# Altium PCB SupBigBrrg_0.PcbDoc (part 22 of 29)
Units mm, origin at the board's own origin, x right, y up, seen from the top; angles counter-clockwise.
Board outline 400 x 344 mm, 6 copper layers (TopLayer, PlaneGnd, PlanePwr, MidLayer3, MidLayer4, BottomLayer); 1288 components, 1323 nets, 5024 pads, 1078 vias.
Unrouted connection lines stored in the file: 1824.
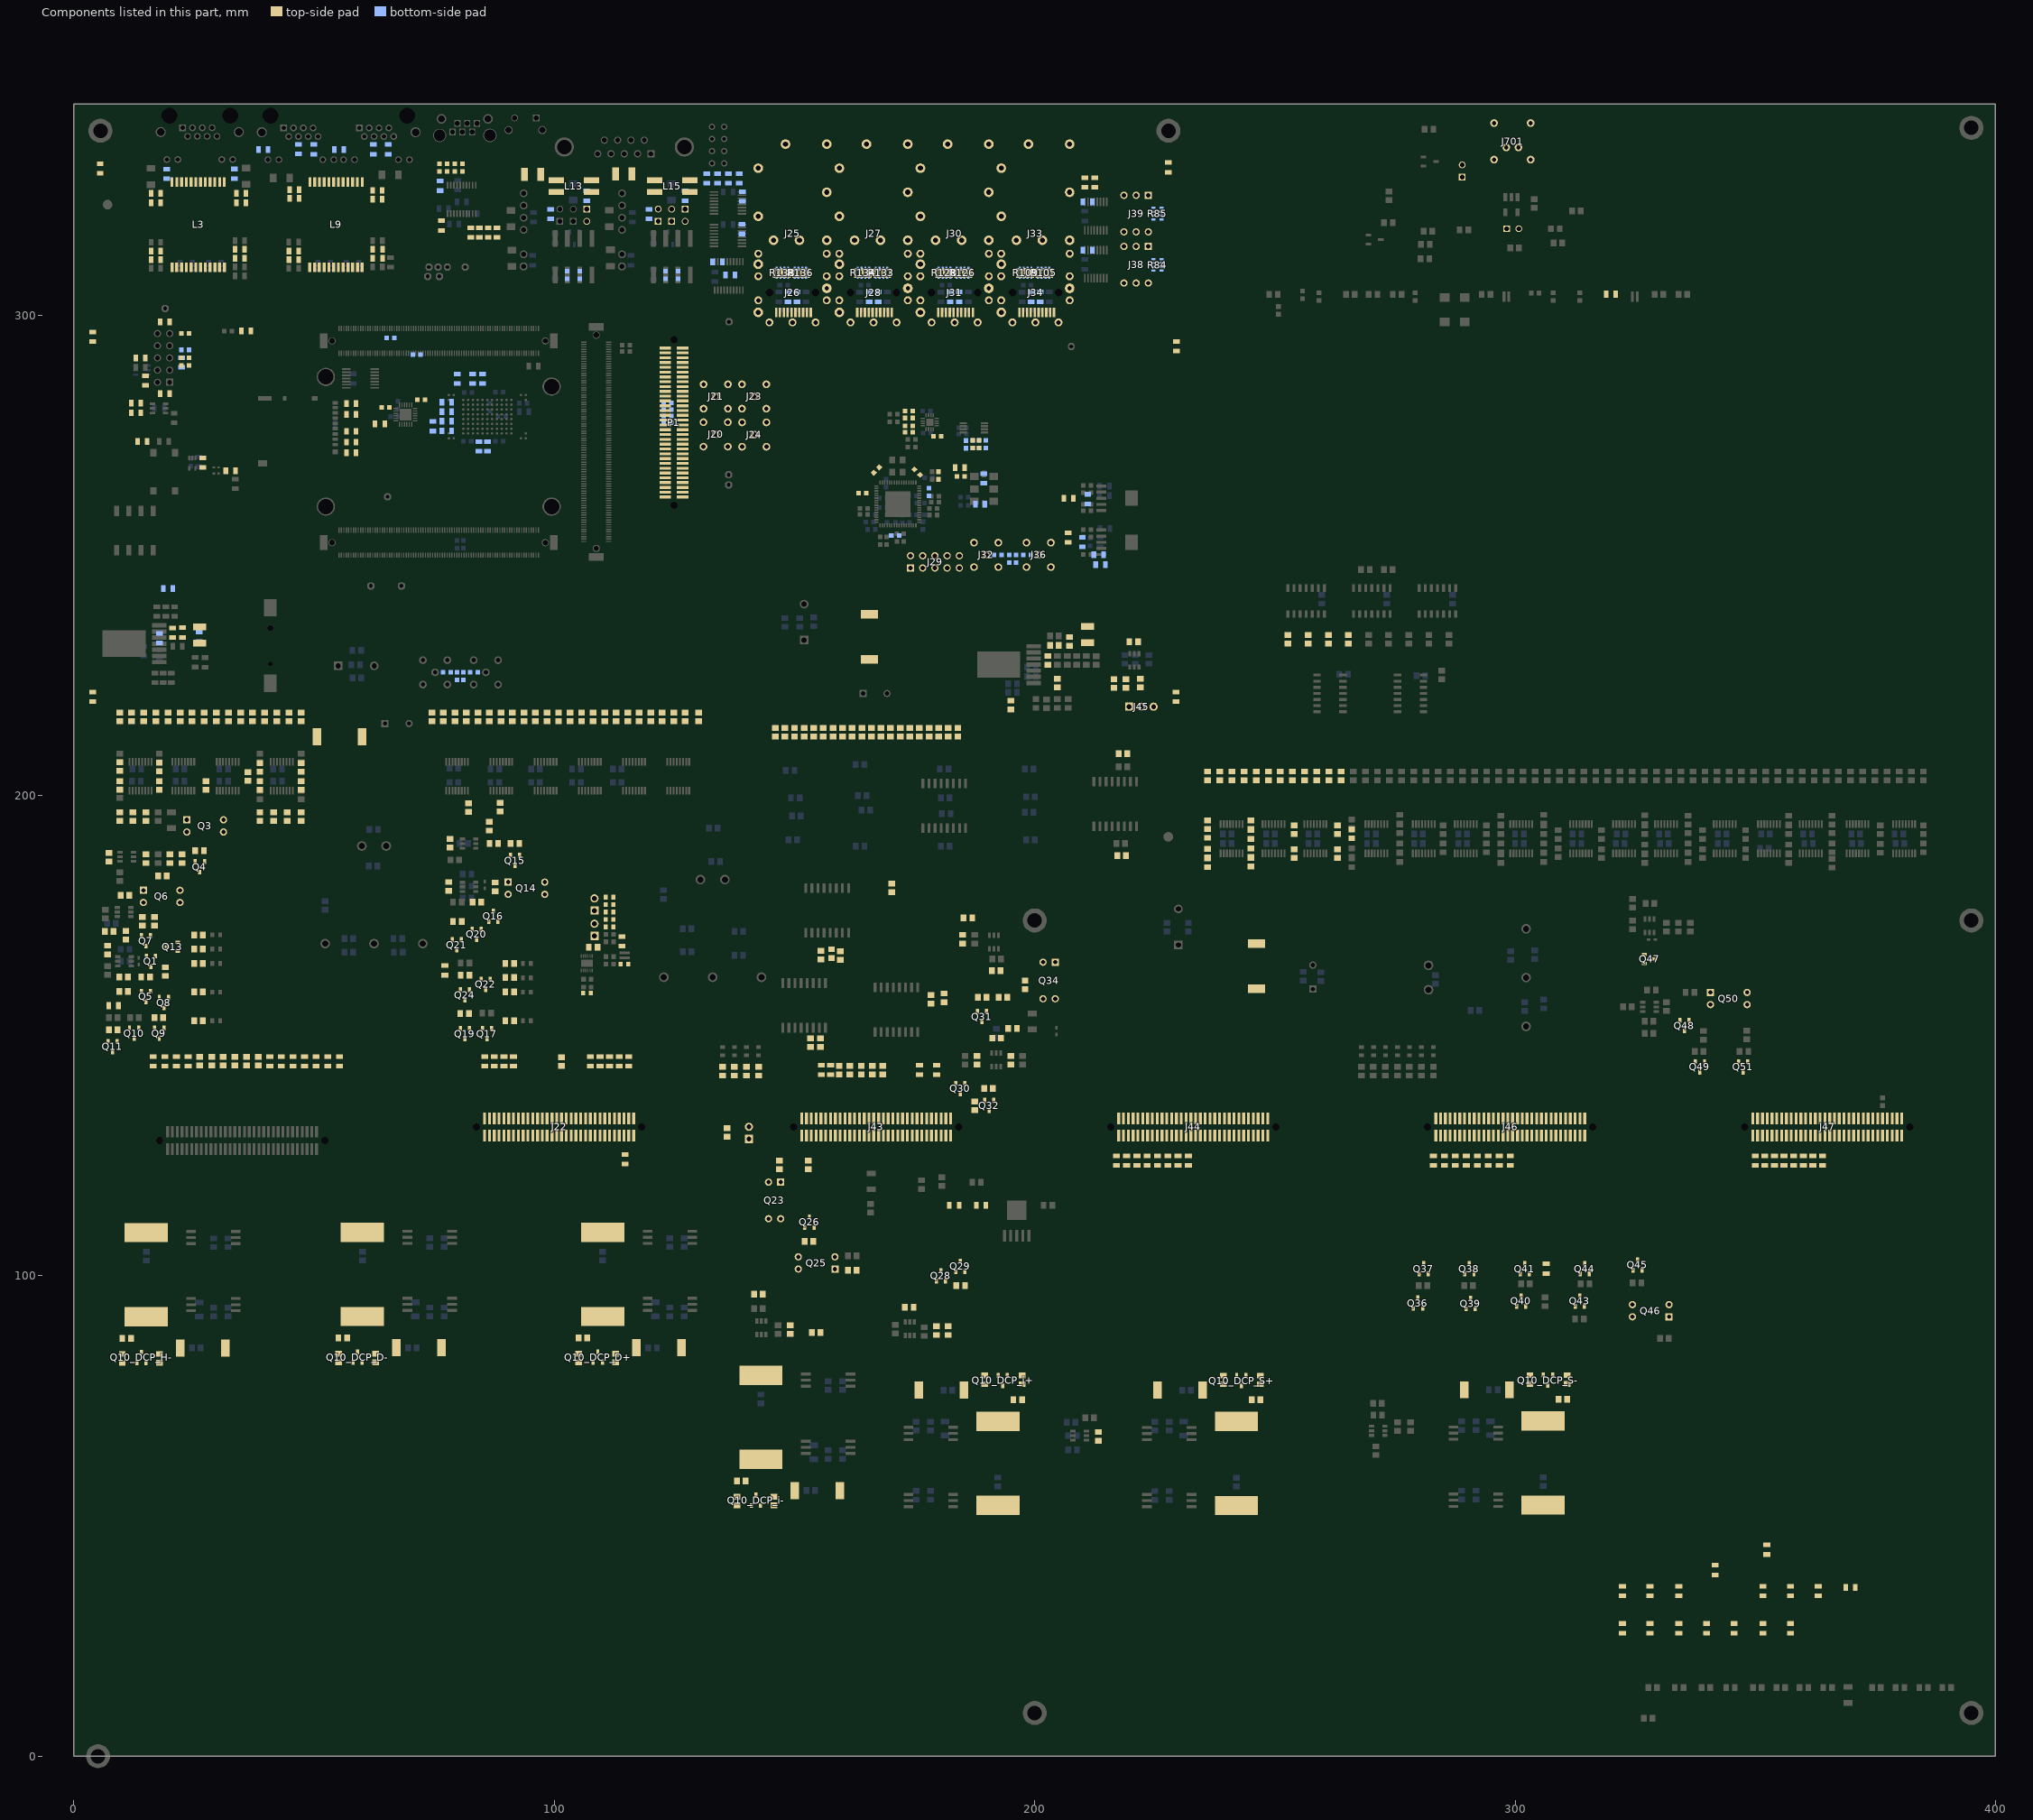
[diagram p26: the components of this part, seen from the top]

## Components (designator, comment, footprint, x,y, rotation, side; value= is the part's Value field where it differs from the comment) (continued)
J16 "PLS-2" PLS-2#1 106.75,320.8 r270 top locked (schematic designator J8)
J17 "PLS-2" PLS-2#1 121.625,320.825 r90 top locked (schematic designator J6)
J18 "PLS-2" PLS-2#1 124.425,320.8 r90 top locked (schematic designator J7)
J19 "PLS-2" PLS-2#1 127.225,320.8 r270 top locked (schematic designator J8)
J20 "DNP" LEMO_EPA.00.250.NTN 133.575,275.175 r180 top locked (schematic designator J27)
J21 "DNP" LEMO_EPA.00.250.NTN 133.6,283.075 r0 top locked (schematic designator J31)
J22 "PCI_PMC" TYCO_120521-1 118.2,131 r180 top locked (schematic designator J29)
J23 "DNP" LEMO_EPA.00.250.NTN 141.6,283.075 r0 top locked (schematic designator J30)
J24 "DNP" LEMO_EPA.00.250.NTN 141.625,275.15 r180 top locked (schematic designator J28)
J25 "74754-0101" MOLEX_74737-0111 149.58,304.7 r270 top locked (schematic designator J18)
J26 "74441-0001" MOLEX_74441-0001 149.58,304.7 r270 top locked (schematic designator J17)
J27 "74754-0101" MOLEX_74737-0111 166.455,304.7 r270 top locked (schematic designator J18)
J28 "74441-0001" MOLEX_74441-0001 166.455,304.7 r270 top locked (schematic designator J17)
J29 "DNP" PLD-10 179.225,248.65 r0 top locked (schematic designator J26)
J30 "74754-0101" MOLEX_74737-0111 183.33,304.7 r270 top locked (schematic designator J18)
J31 "74441-0001" MOLEX_74441-0001 183.33,304.7 r270 top locked (schematic designator J17)
J32 "DNP" LEMO_EPA.00.250.NTN 189.9,250.1 r0 top locked (schematic designator J24)
J33 "74754-0101" MOLEX_74737-0111 200.155,304.7 r270 top locked (schematic designator J18)
J34 "74441-0001" MOLEX_74441-0001 200.205,304.7 r270 top locked (schematic designator J17)
J36 "DNP" LEMO_EPA.00.250.NTN 200.825,250.1 r0 top locked (schematic designator J25)
J38 "ERD116XSZ" SW_ECE_ERD116XSZ 223.665,314.32 r270 top locked (schematic designator J12)
J39 "ERD116XSZ" SW_ECE_ERD116XSZ 223.665,324.97 r270 top locked (schematic designator J19)
J40 "PLS2" PLS2 140.5,128.5 r90 top locked (schematic designator J33)
J41 "PLS2" PLS2 108.353,170.77 r90 top locked (schematic designator J4)
J42 "PLS2" PLS2 108.353,176.05 r90 top locked (schematic designator J5)
J43 "PCI_PMC" TYCO_120521-1 184.2,131 r180 top locked (schematic designator J34)
J44 "PCI_PMC" TYCO_120521-1 250.2,131 r180 top locked (schematic designator J36)
J45 "PLS3TestPwr" PLS3 219.67,218.5 r0 top locked value=TestPwr (schematic designator J35)
J46 "PCI_PMC" TYCO_120521-1 316.2,131 r180 top locked (schematic designator J37)
J47 "PCI_PMC" TYCO_120521-1 382.2,131 r180 top locked (schematic designator J38)
J700 "PLS-2" PLS-2#2 289,328.75 r90 top locked (schematic designator J21)
J701 "LEMO_EPG.0B.302.HLN" LEMO_EPG.0B.302.HLN 299.44,334.92 r90 top locked (schematic designator J4)
J702 "PLS-2" PLS-2#2 298.25,318 r0 top locked (schematic designator J5)
L2 "DNP" INDC2012N 17.06,313.385 r180 top locked (schematic designator L11)
L3 "H5008NL" SMD_HX508 20.41,310 r90 top locked (schematic designator L13)
L4 "LQH32PN4R7NN0L" IND_3225_MURATA_LQH_N 26.15,233.4 r270 top locked value=4.7uH (schematic designator L1)
L5 "DNP" INDC2012N 34.51,311.885 r0 top locked (schematic designator L9)
L6 "DNP" INDC2012N 34.51,313.685 r0 top locked (schematic designator L10)
L7 "DNP" INDC2012N 17.06,311.585 r180 top locked (schematic designator L12)
L7 "BLM21RK102SN1D" INDC2012N 45.755,311.585 r180 top locked value=BLM21SN102
L8 "BLM21RK102SN1D" INDC2012N 45.755,313.385 r180 top locked value=BLM21SN102 (schematic designator L6)
L9 "H5008NL" SMD_HX508 49.105,310 r90 top locked (schematic designator L8)
L10 "BLM21RK102SN1D" INDC2012N 63.205,311.885 r0 top locked value=BLM21SN102 (schematic designator L4)
L11 "BLM21RK102SN1D" INDC2012N 63.205,313.685 r0 top locked value=BLM21SN102 (schematic designator L5)
L12 "LQH32PN4R7NN0L" IND_3225_MURATA_LQH_N 95.475,329.35 r180 top locked value=4.7uH (schematic designator L15)
L13 "B82790C0513" SMD_B82790 107.725,328.125 r180 top locked (schematic designator L14)
L14 "LQH32PN4R7NN0L" IND_3225_MURATA_LQH_N 114.425,329.4 r180 top locked value=4.7uH (schematic designator L15)
L15 "B82790C0513" SMD_B82790 128.2,328.125 r180 top locked (schematic designator L14)
L16 "BLM21PG221SN1" INDC2012N 201.155,303.825 r270 bottom locked (schematic designator L3)
L17 "BLM21PG221SN1" INDC2012N 199.28,303.825 r270 bottom locked (schematic designator L2)
L17_DCP_D+ "PM5022S68uH" IND_Bourns_PM5022S 110.05,100.3 r270 top locked value=68uH (schematic designator L17)
L17_DCP_D- "PM5022S68uH" IND_Bourns_PM5022S 60.05,100.3 r270 top locked value=68uH (schematic designator L17)
L17_DCP_H- "PM5022S68uH" IND_Bourns_PM5022S 15.05,100.25 r270 top locked value=68uH (schematic designator L17)
L17_DCP_i+ "PM5022S68uH" IND_Bourns_PM5022S 192.35,60.965 r90 top locked value=68uH (schematic designator L17)
L17_DCP_i- "PM5022S68uH" IND_Bourns_PM5022S 143,70.55 r270 top locked value=68uH (schematic designator L17)
L17_DCP_S+ "PM5022S68uH" IND_Bourns_PM5022S 242,60.95 r90 top locked value=68uH (schematic designator L17)
L17_DCP_S- "PM5022S68uH" IND_Bourns_PM5022S 305.85,61.035 r90 top locked value=68uH (schematic designator L17)
L18 "BLM21PG221SN1" INDC2012N 184.28,303.825 r270 bottom locked (schematic designator L3)
L18_DCP_D+ "B82464G410uH" IND_COILCRAFT_MSS1038 121.8,85.05 r0 top locked value=10uH (schematic designator L18)
L18_DCP_D- "B82464G410uH" IND_COILCRAFT_MSS1038 71.8,85.05 r0 top locked value=10uH (schematic designator L18)
L18_DCP_H- "B82464G410uH" IND_COILCRAFT_MSS1038 26.8,85 r0 top locked value=10uH (schematic designator L18)
L18_DCP_i+ "B82464G410uH" IND_COILCRAFT_MSS1038 180.6,76.215 r180 top locked value=10uH (schematic designator L18)
L18_DCP_i- "B82464G410uH" IND_COILCRAFT_MSS1038 154.75,55.3 r0 top locked value=10uH (schematic designator L18)
L18_DCP_S+ "B82464G410uH" IND_COILCRAFT_MSS1038 230.25,76.2 r180 top locked value=10uH (schematic designator L18)
L18_DCP_S- "B82464G410uH" IND_COILCRAFT_MSS1038 294.1,76.285 r180 top locked value=10uH (schematic designator L18)
L19 "BLM21PG221SN1" INDC2012N 182.405,303.825 r270 bottom locked (schematic designator L2)
L20 "BLM21PG221SN1" INDC2012N 167.405,303.825 r270 bottom locked (schematic designator L3)
L21 "BLM21PG221SN1" INDC2012N 165.53,303.825 r270 bottom locked (schematic designator L2)
L22 "BLM21PG221SN1" INDC2012N 150.53,303.825 r270 bottom locked (schematic designator L3)
L23 "BLM21PG221SN1" INDC2012N 148.655,303.825 r270 bottom locked (schematic designator L2)
L25 "BLM211k" RESC2012X50N 21.333,144.65 r90 top locked value=1k (schematic designator L38)
L26 "BLM211k" RESC2012X50N 23.75,144.65 r90 top locked value=1k (schematic designator L37)
L27 "BLM211k" RESC2012X50N 43.167,144.65 r90 top locked value=1k (schematic designator L35)
L28 "BLM211k" RESC2012X50N 52.833,144.65 r90 top locked value=1k (schematic designator L31)
L29 "BLM211k" RESC2012X50N 16.5,144.65 r90 top locked value=1k (schematic designator L40)
L30 "BLM211k" RESC2012X50N 18.917,144.65 r90 top locked value=1k (schematic designator L39)
L32 "BLM211k" RESC2012X50N 8.25,156.25 r0 top locked value=1k (schematic designator L86)
L34 "B82464G410uH" IND_COILCRAFT_MSS1038 55.25,212.25 r0 top locked value=10uH (schematic designator L87)
L35 "BLM211k" RESC2012X50N 113.5,144.65 r90 top locked value=1k (schematic designator L22)
L37 "BLM211k" RESC2012X50N 107.5,144.65 r90 top locked value=1k (schematic designator L25)
L38 "BLM211k" RESC2012X50N 115.5,144.65 r90 top locked value=1k (schematic designator L20)
L39 "BLM211k" RESC2012X50N 85.5,144.65 r90 top locked value=1k (schematic designator L29)
L40 "BLM211k" RESC2012X50N 87.5,144.65 r90 top locked value=1k (schematic designator L28)
L42 "BLM211k" RESC2012X50N 77.2,163.6 r90 top locked value=1k (schematic designator L16)
L43 "BLM211k" RESC2012X50N 114.075,169.625 r90 top locked value=1k (schematic designator L19)
L44 "B82464G410uH" IND_COILCRAFT_MSS1038 165.55,233.05 r270 top value=10uH (schematic designator L88)
L46 "BLM211k" RESC2012X50N 155.6,142.9 r90 top value=1k (schematic designator L49)
L47 "BLM211k" RESC2012X50N 157.5,142.85 r90 top value=1k (schematic designator L48)
L48 "BLM211k" RESC2012X50N 179.6,142.9 r90 top value=1k (schematic designator L44)
L50 "BLM211k" RESC2012X50N 176,142.85 r90 top value=1k (schematic designator L46)
L53 "LQH32PN4R7NN0L" IND_3225_MURATA_LQH_N 211,233.5 r90 top locked value=4.7uH (schematic designator L52)
L54 "BLM211k" RESC2012X50N 217,124 r270 top locked value=1k (schematic designator L61)
L55 "BLM211k" RESC2012X50N 219.143,124 r270 top locked value=1k (schematic designator L60)
L56 "BLM211k" RESC2012X50N 221.286,124 r270 top locked value=1k
L57 "BLM211k" RESC2012X50N 223.429,124 r270 top locked value=1k (schematic designator L58)
L59 "BLM211k" RESC2012X50N 225.571,124 r270 top locked value=1k (schematic designator L54)
L60 "BLM211k" RESC2012X50N 227.714,124 r270 top locked value=1k (schematic designator L53)
L61 "BLM211k" RESC2012X50N 229.857,124 r90 top locked value=1k (schematic designator L62)
L62 "BLM211k" RESC2012X50N 232,124 r270 top locked value=1k (schematic designator L63)
L64 "B82464G410uH" IND_COILCRAFT_MSS1038 246.2,164.5 r270 top locked value=10uH (schematic designator L89)
L65 "BLM211k" RESC2012X50N 283,124 r270 top locked value=1k (schematic designator L72)
L66 "BLM211k" RESC2012X50N 285.286,124 r270 top locked value=1k (schematic designator L71)
L67 "BLM211k" RESC2012X50N 287.571,124 r270 top locked value=1k
L69 "BLM211k" RESC2012X50N 289.857,124 r270 top locked value=1k
L70 "BLM211k" RESC2012X50N 292.143,124 r270 top locked value=1k (schematic designator L65)
L71 "BLM211k" RESC2012X50N 294.429,124 r270 top locked value=1k (schematic designator L64)
L72 "BLM211k" RESC2012X50N 296.714,124 r270 top locked value=1k (schematic designator L74)
L73 "BLM211k" RESC2012X50N 299,124 r270 top locked value=1k
L75 "BLM211k" RESC2012X50N 306.5,101.5 r90 top locked value=1k (schematic designator L90)
L76 "BLM211k" RESC2012X50N 350,124 r270 top locked value=1k (schematic designator L83)
L77 "BLM211k" RESC2012X50N 352,124 r270 top locked value=1k (schematic designator L82)
L78 "BLM211k" RESC2012X50N 354,124 r270 top locked value=1k
L79 "BLM211k" RESC2012X50N 356,124 r270 top locked value=1k (schematic designator L80)
L80 "BLM211k" RESC2012X50N 358,124 r270 top locked value=1k (schematic designator L76)
L81 "BLM211k" RESC2012X50N 360,124 r270 top locked value=1k (schematic designator L75)
L82 "BLM211k" RESC2012X50N 362,124 r270 top locked value=1k (schematic designator L85)
L83 "BLM211k" RESC2012X50N 364,124 r270 top locked value=1k (schematic designator L84)
L84 "BLM211k" RESC2012X50N 322.349,34.374 r90 top locked value=1k (schematic designator L81)
L85 "BLM21DNP" RESC2012X50N 322.349,26.624 r90 top locked value=DNP (schematic designator L51)
L86 "BLM211k" RESC2012X50N 40.75,144.65 r90 top locked value=1k (schematic designator L36)
L87 "BLM21DNP" RESC2012X50N 89.5,144.65 r90 top locked value=DNP (schematic designator L27)
L88 "BLM21DNP" RESC2012X50N 45.583,144.65 r90 top locked value=DNP (schematic designator L34)
L89 "BLM21DNP" RESC2012X50N 91.5,144.65 r90 top locked value=DNP (schematic designator L26)
L90 "BLM211k" RESC2012X50N 328.099,34.374 r90 top locked value=1k (schematic designator L79)
L91 "BLM21DNP" RESC2012X50N 328.099,26.624 r90 top locked value=DNP (schematic designator L50)
L92 "BLM21DNP" RESC2012X50N 48,144.65 r90 top locked value=DNP (schematic designator L33)
L93 "BLM21DNP" RESC2012X50N 109.5,144.65 r90 top locked value=DNP (schematic designator L24)
L94 "BLM211k" RESC2012X50N 334.099,34.374 r90 top locked value=1k (schematic designator L77)
L95 "BLM21DNP" RESC2012X50N 334.099,26.624 r90 top locked value=DNP (schematic designator L47)
L96 "BLM21DNP" RESC2012X50N 111.5,144.65 r90 top locked value=DNP (schematic designator L23)
L97 "BLM21DNP" RESC2012X50N 50.417,144.65 r270 top locked value=DNP (schematic designator L32)
L98 "BLM211k" RESC2012X50N 341.65,38.75 r90 top locked value=1k (schematic designator L70)
L99 "BLM21DNP" RESC2012X50N 339.849,26.624 r90 top locked value=DNP (schematic designator L45)
L100 "BLM21DNP" RESC2012X50N 114.75,124.25 r90 top locked value=DNP (schematic designator L21)
L101 "BLM21DNP" RESC2012X50N 55.25,144.65 r270 top locked value=DNP (schematic designator L30)
L102 "BLM211k" RESC2012X50N 352.4,43 r90 top locked value=1k (schematic designator L68)
L103 "BLM21DNP" RESC2012X50N 345.599,26.624 r90 top locked value=DNP (schematic designator L43)
L104 "BLM211k" RESC2012X50N 351.599,34.374 r90 top locked value=1k (schematic designator L66)
L105 "BLM21DNP" RESC2012X50N 351.599,26.624 r90 top locked value=DNP (schematic designator L42)
L106 "BLM211k" RESC2012X50N 357.349,34.374 r90 top locked value=1k (schematic designator L59)
L107 "BLM21DNP" RESC2012X50N 357.349,26.624 r90 top locked value=DNP (schematic designator L41)
L108 "BLM211k" RESC2012X50N 363.099,34.374 r90 top locked value=1k (schematic designator L57)
L109 "BLM211k" RESC2012X50N 369.849,35.124 r0 top locked value=1k (schematic designator L55)
L700 "BLM211k" RESC2012X50N 319.948,304.374 r0 top locked value=1k (schematic designator L16)
L850 "BLM211k" RESC2012X50N 183.249,114.674 r0 top value=1k (schematic designator L16)
L851 "BLM211k" RESC2012X50N 188.849,114.674 r0 top value=1k (schematic designator L19)
P1 "TYCO_120521-1" TYCO_120521-1 124.9,260.45 r90 top locked value=DNP
Q1 "AO3400A" SOT95P229X119-3N 16,165.5 r270 top locked (schematic designator Q12)
Q3 "817B" DIP4-300 27.31,193.67 r0 top locked (schematic designator Q19)
Q4 "AO3400A" SOT95P229X119-3N 26.2,185.15 r270 top locked (schematic designator Q17)
Q5 "AO3401A" SOT95P229X119-3N 15,158.15 r270 top locked (schematic designator Q11)
Q6 "817B" DIP4-300 18.25,179 r0 top locked (schematic designator Q14)
Q7 "AO3400A" SOT95P229X119-3N 15,169.75 r270 top locked (schematic designator Q13)
Q8 "AO3400A" SOT95P229X119-3N 18.7,156.9 r270 top locked (schematic designator Q16)
Q9 "AO3401A" SOT95P229X119-3N 17.75,150.5 r270 top locked (schematic designator Q15)
Q10 "AO3400A" SOT95P229X119-3N 12.5,150.5 r270 top locked (schematic designator Q21)
Q10_DCP_D+ "AO3400A" SOT95P229X119-3N 109.05,83.05 r90 top locked (schematic designator Q10)
Q10_DCP_D- "AO3400A" SOT95P229X119-3N 59.05,83.05 r90 top locked (schematic designator Q10)
Q10_DCP_H- "AO3400A" SOT95P229X119-3N 14.05,83 r90 top locked (schematic designator Q10)
Q10_DCP_i+ "AO3400A" SOT95P229X119-3N 193.35,78.215 r270 top locked (schematic designator Q10)
Q10_DCP_i- "AO3400A" SOT95P229X119-3N 142,53.3 r90 top locked (schematic designator Q10)
Q10_DCP_S+ "AO3400A" SOT95P229X119-3N 243,78.2 r270 top locked (schematic designator Q10)
Q10_DCP_S- "AO3400A" SOT95P229X119-3N 306.85,78.285 r270 top locked (schematic designator Q10)
Q11 "AO3401A" SOT95P229X119-3N 8,147.75 r270 top locked (schematic designator Q20)
Q13 "AO3400A" SOT95P229X119-3N 20.5,168.5 r180 top locked (schematic designator Q18)
Q14 "817B" DIP4-300 94.2,180.7 r0 top locked (schematic designator Q4)
Q15 "AO3400A" SOT95P229X119-3N 91.8,186.5 r270 top locked (schematic designator Q3)
Q16 "AO3400A" SOT95P229X119-3N 87.3,174.9 r90 top locked (schematic designator Q5)
Q17 "AO3400A" SOT95P229X119-3N 86,150.4 r270 top locked (schematic designator Q9)
Q19 "AO3401A" SOT95P229X119-3N 81.4,150.4 r270 top locked (schematic designator Q8)
Q20 "AO3400A" SOT95P229X119-3N 83.8,171.1 r270 top locked (schematic designator Q2)
Q21 "AO3401A" SOT95P229X119-3N 79.7,168.9 r270 top locked (schematic designator Q1)
Q22 "AO3400A" SOT95P229X119-3N 85.7,160.7 r270 top locked (schematic designator Q7)
Q23 "817B" DIP4-300 145.85,115.7 r270 top locked (schematic designator Q26)
Q24 "AO3401A" SOT95P229X119-3N 81.4,158.5 r270 top locked (schematic designator Q6)
Q25 "817B" DIP4-300 154.6,102.7 r180 top locked (schematic designator Q30)
Q26 "AO3400A" SOT95P229X119-3N 153.1,111.2 r90 top locked (schematic designator Q29)
Q28 "AO3400A" SOT95P229X119-3N 180.5,100 r90 top locked
Q29 "AO3401A" SOT95P229X119-3N 184.5,102 r90 top locked (schematic designator Q27)
Q30 "AO3400A" SOT95P229X119-3N 184.5,139 r270 top locked (schematic designator Q23)
Q31 "AO3400A" SOT95P229X119-3N 189,154 r270 top (schematic designator Q24)
Q32 "AO3401A" SOT95P229X119-3N 190.5,135.5 r270 top locked (schematic designator Q22)
Q34 "817B" DIP4-300 203,161.5 r270 top (schematic designator Q25)
Q36 "AO3400A" SOT95P229X119-3N 279.8,94.35 r90 top locked
Q37 "AO3401A" SOT95P229X119-3N 281,101.5 r90 top locked (schematic designator Q35)
Q38 "AO3401A" SOT95P229X119-3N 290.5,101.5 r90 top locked (schematic designator Q37)
Q39 "AO3400A" SOT95P229X119-3N 290.75,94.25 r90 top locked
Q40 "AO3400A" SOT95P229X119-3N 301.25,94.75 r90 top locked (schematic designator Q43)
Q41 "AO3401A" SOT95P229X119-3N 302,101.5 r90 top locked (schematic designator Q42)
Q43 "AO3400A" SOT95P229X119-3N 313.5,94.75 r90 top locked (schematic designator Q45)
Q44 "AO3401A" SOT95P229X119-3N 314.5,101.5 r90 top locked
Q45 "AO3400A" SOT95P229X119-3N 325.5,102.279 r90 top locked (schematic designator Q40)
Q46 "817B" DIP4-300 328.25,92.75 r180 top locked (schematic designator Q41)
Q47 "AO3400A" SOT95P229X119-3N 328,166 r0 top locked (schematic designator Q38)
Q48 "AO3400A" SOT95P229X119-3N 335.25,152.1 r270 top locked (schematic designator Q32)
Q49 "AO3401A" SOT95P229X119-3N 338.5,143.5 r270 top locked (schematic designator Q31)
Q50 "817B" DIP4-300 344.5,157.75 r0 top locked (schematic designator Q34)
Q51 "AO3400A" SOT95P229X119-3N 347.5,143.5 r270 top locked (schematic designator Q33)
R1 "10MΩ" RESC2012N 3.9,295.5 r270 top locked value=10M? (schematic designator R106)
R2 "10MΩ" RESC2012N 3.925,220.55 r270 top locked value=10M? (schematic designator R105)
R3 "DNP" RESC2012N 5.45,330.55 r270 top locked (schematic designator R104)
R4 "10k" SMD0805RES 88.698,198.602 r270 top locked (schematic designator R5001)
R6 "3k" SMD0805RES 26.952,159.096 r180 top locked (schematic designator R441)
R7 "10kΩ" RESC2012N 12.925,279.675 r0 top locked value=10k? (schematic designator R157)
R8 "51kΩ" RESC2012N 12.925,281.675 r0 top locked value=51k? (schematic designator R158)
R9 "10kΩ" RESC2012N 13.875,291.05 r180 top locked value=10k? (schematic designator R174)
R10 "51kΩ" RESC2012N 14.225,273.725 r0 top locked value=51k? (schematic designator R159)
R11 "1kΩ" RESC2012N 14.875,286.375 r90 top locked value=1k? (schematic designator R72)
R12 "75Ω" RESC2012N 17.035,323.435 r0 top locked value=75? (schematic designator R43)
R13 "75Ω" RESC2012N 17.035,325.335 r0 top locked value=75? (schematic designator R42)
R14 "DNP" RESC2012N 18.925,283.675 r180 top locked (schematic designator R171)
R15 "DNP" RESC2012N 18.925,298.575 r180 top locked (schematic designator R173)
R16 "75kΩ" RESC2012N 20.535,233.885 r270 top locked value=75k? (schematic designator R21)
R17 "1kΩ" RESC2012N 22.56,233.935 r270 top locked value=1k? (schematic designator R23)
R18 "22Ω" RESC1608N 23.16,289.56 r180 top locked value=22? (schematic designator R73)
R19 "100Ω" RESC1608N 23.16,291.11 r180 top locked value=100? (schematic designator R75)
R19_DCP_D+ "1k" SMD0805RES 105.048,83.902 r270 top locked (schematic designator R19)
R19_DCP_D- "1k" SMD0805RES 55.048,83.902 r270 top locked (schematic designator R19)
R19_DCP_H- "1k" SMD0805RES 10.048,83.852 r270 top locked (schematic designator R19)
R19_DCP_i+ "1k" SMD0805RES 197.352,77.363 r90 top locked (schematic designator R19)
R19_DCP_i- "1k" SMD0805RES 137.998,54.152 r270 top locked (schematic designator R19)
R19_DCP_S+ "1k" SMD0805RES 247.002,77.348 r90 top locked (schematic designator R19)
R19_DCP_S- "1k" SMD0805RES 310.852,77.433 r90 top locked (schematic designator R19)
R20 "100Ω" RESC1608N 23.16,296.21 r180 top locked value=100? (schematic designator R74)
R21 "51kΩ" RESC2012N 26.775,269.3 r270 top locked value=51k? (schematic designator R101)
R22 "43kΩ" RESC2012N 32.61,267.635 r180 top locked value=43k? (schematic designator R98)
R23 "75Ω" RESC2012N 34.81,323.435 r180 top locked value=75? (schematic designator R55)
R24 "75Ω" RESC2012N 34.81,325.335 r180 top locked value=75? (schematic designator R78)
R25 "1kΩ" RESC2012N 35.815,296.71 r180 top locked value=1k? (schematic designator R97)
R25_DCP_D+ "1k" SMD0805RES 104.948,87.048 r0 top locked (schematic designator R25)
R25_DCP_D- "1k" SMD0805RES 54.948,87.048 r0 top locked (schematic designator R25)
R25_DCP_H- "1k" SMD0805RES 9.948,86.998 r0 top locked (schematic designator R25)
R25_DCP_i+ "1k" SMD0805RES 197.452,74.217 r180 top locked (schematic designator R25)
R25_DCP_i- "1k" SMD0805RES 137.898,57.298 r0 top locked (schematic designator R25)
R25_DCP_S+ "1k" SMD0805RES 247.102,74.202 r180 top locked (schematic designator R25)
R25_DCP_S- "1k" SMD0805RES 310.952,74.287 r180 top locked (schematic designator R25)
R26 "75Ω" RESC2012N 45.91,324.31 r0 top locked value=75? (schematic designator R80)
R27 "75Ω" RESC2012N 45.91,326.16 r0 top locked value=75? (schematic designator R79)
R27_DCP_D+ "1k" SMD0805RES 112.798,83.902 r270 top locked (schematic designator R27)
R27_DCP_D- "1k" SMD0805RES 62.798,83.902 r270 top locked (schematic designator R27)
R27_DCP_H- "1k" SMD0805RES 17.798,83.852 r270 top locked (schematic designator R27)
R27_DCP_i+ "1k" SMD0805RES 189.602,77.363 r90 top locked (schematic designator R27)
R27_DCP_i- "1k" SMD0805RES 145.748,54.152 r270 top locked (schematic designator R27)
R27_DCP_S+ "1k" SMD0805RES 239.252,77.348 r90 top locked (schematic designator R27)
R27_DCP_S- "1k" SMD0805RES 303.102,77.433 r90 top locked (schematic designator R27)
R28 "10kΩ" RESC2012N 57.7,271.325 r180 top locked value=10k? (schematic designator R166)
R29 "10kΩ" RESC2012N 57.7,273.575 r180 top locked value=10k? (schematic designator R167)
R30 "10kΩ" RESC2012N 57.7,275.825 r180 top locked value=10k? (schematic designator R168)
R31 "10kΩ" RESC2012N 57.7,279.325 r180 top locked value=10k? (schematic designator R169)
R32 "10kΩ" RESC2012N 57.7,281.575 r180 top locked value=10k? (schematic designator R170)
R33 "75Ω" RESC2012N 63.16,324.16 r180 top locked value=75? (schematic designator R83)
R34 "75Ω" RESC2012N 63.16,325.985 r180 top locked value=75? (schematic designator R92)
R35 "10kΩ" RESC2012N 63.675,277.375 r180 top locked value=10k? (schematic designator R89)
R36 "22Ω" RESC1608N 64.875,280.8 r180 top locked value=22? (schematic designator R90)
R37 "22Ω" RESC1608N 72.25,282.375 r0 top locked value=22? (schematic designator R91)
R38 "22Ω" RESC1608N 76.11,330.703 r90 top locked value=22? (schematic designator R70)
R39 "51kΩ" RESC2012N 76.485,318.66 r90 top locked value=51k? (schematic designator R61)
R40 "22Ω" RESC1608N 77.685,330.703 r90 top locked value=22? (schematic designator R69)
R41 "22Ω" RESC1608N 79.26,330.703 r90 top locked value=22? (schematic designator R65)
R42 "22Ω" RESC1608N 80.835,330.703 r90 top locked value=22? (schematic designator R63)
R43 "1kΩ" RESC2012N 82.625,317.175 r90 top locked value=1k? (schematic designator R68)
R44 "1kΩ" RESC2012N 84.425,317.175 r90 top locked value=1k? (schematic designator R67)
R45 "1kΩ" RESC2012N 86.225,317.175 r90 top locked value=1k? (schematic designator R64)
R46 "1kΩ" RESC2012N 88.025,317.175 r90 top locked value=1k? (schematic designator R66)
R47 "100k" SMD0805RES 11.602,179.252 r180 top locked (schematic designator R435)
R48 "10k" SMD0805RES 27.498,203.102 r270 top locked (schematic designator R192)
R49 "100k" SMD0805RES 7.252,186.148 r90 top locked (schematic designator R443)
R50 "430" SMD0805RES 6.298,171.698 r0 top locked (schematic designator R440)
R51 "15k" SMD0805RES 10.802,169.898 r90 top locked (schematic designator R437)
R52 "1k" SMD0805RES 24.602,215.398 r90 top locked (schematic designator R201)
R53 "22Ω" RESC1608N 164.125,262.925 r180 top locked value=22? (schematic designator R147)
R54 "100Ω" RESC1608N 167.075,267.775 r45 top locked value=100? (schematic designator R134)
R55 "91Ω" RESC1608N 173.85,275.6 r180 top locked value=91? (schematic designator R146)
R56 "91Ω" RESC1608N 173.85,276.95 r180 top locked value=91? (schematic designator R145)
R57 "91Ω" RESC1608N 173.85,278.6 r0 top locked value=91? (schematic designator R137)
R58 "91Ω" RESC1608N 173.85,280.05 r0 top locked value=91? (schematic designator R138)
R59 "100Ω" RESC1608N 175.55,267.325 r315 top locked value=100? (schematic designator R133)
R60 "68Ω" RESC1608N 179.7,274.825 r0 top locked value=68? (schematic designator R132)
R61 "820Ω" RESC1608N 180,266.625 r270 top locked value=820? (schematic designator R143)
R62 "51Ω" RESC2012N 184.425,268.25 r180 top locked value=51? (schematic designator R129)
R63 "22Ω" RESC1608N 184.625,266.425 r180 top locked value=22? (schematic designator R130)
R65 "22Ω" RESC1608N 187.075,273.125 r90 top locked value=22? (schematic designator R123)
R66 "22Ω" RESC1608N 188.45,273.125 r90 top locked value=22? (schematic designator R125)
R67 "10k" SMD0805RES 26.952,165.064 r180 top locked (schematic designator R438)
R73 "0Ω" RESC2012N 207.075,261.9 r0 top locked value=0? (schematic designator R181)
R74 "0Ω" RESC2012N 206.925,253.7 r270 top locked value=0? (schematic designator R179)
R75 "5.1kΩ" RESC2012N 210.475,327.6 r90 top locked value=5.1k? (schematic designator R117)
R76 "100k" SMD0805RES 18.998,164.352 r270 top locked (schematic designator R427)
R77 "5.1kΩ" RESC2012N 212.525,327.6 r90 top locked value=5.1k? (schematic designator R116)
R78 "680k" SMD0805RES 27.152,188.502 r180 top locked (schematic designator R442)
R79 "DNP" RESC2012N 227.85,330.775 r270 top locked (schematic designator R111)
R80 "10MΩ" RESC2012N 229.4,220.55 r270 top locked value=10M? (schematic designator R16)
R80 "1k" SMD0805RES 27.118,215.398 r90 top locked (schematic designator R199)
R81 "10MΩ" RESC2012N 229.5,293.525 r90 top locked value=10M? (schematic designator R103)
R82 "1k" SMD0805RES 26.952,153.127 r180 top locked (schematic designator R446)
R83 "1k" SMD0805RES 19.568,215.398 r90 top locked (schematic designator R206)
R84 "CAY16-4702F4LF" CAY16-J4 224.725,309.275 r0 bottom locked value=47k? (schematic designator R110)
R85 "CAY16-4702F4LF" CAY16-J4 224.725,319.95 r0 bottom locked value=47k? (schematic designator R112)
R86 "680k" SMD0805RES 16.748,174.852 r270 top locked (schematic designator R434)
R87 "10k" SMD0805RES 9.348,162.248 r0 top locked (schematic designator R428)
R89 "10k" SMD0805RES 26.952,168.033 r180 top locked (schematic designator R425)
R90 "1kΩ" RESC2012N 213.7,248.075 r0 bottom locked value=1k? (schematic designator R180)
R91 "12kΩ" RESC2012N 213.325,250.1 r180 bottom locked value=12k? (schematic designator R118)
R92 "100k" SMD0805RES 15.902,162.252 r180 top locked (schematic designator R426)
R93 "5.1kΩ" RESC2012N 211.025,313.5 r0 bottom locked value=5.1k? (schematic designator R177)
R94 "5.1kΩ" RESC2012N 211.025,323.55 r0 bottom locked value=5.1k? (schematic designator R178)
R95 "1kΩ" RESC2012N 211.05,261.725 r90 bottom locked value=1k? (schematic designator R182)
R96 "5.1kΩ" RESC2012N 209.923,252.775 r90 bottom locked value=5.1k? (schematic designator R115)
R97 "1k" SMD0805RES 22.085,215.398 r90 top locked (schematic designator R203)
R98 "10k" SMD0805RES 36.198,205.002 r270 top locked (schematic designator R193)
R99 "430" SMD0805RES 15.002,185.848 r90 top locked (schematic designator R448)
R100 "100k" SMD0805RES 7.002,166.848 r90 top locked (schematic designator R429)
R101 "5k6" SMD0805RES 20.002,185.848 r90 top locked (schematic designator R445)
R102 "1k" SMD0805RES 34.668,215.398 r90 top locked (schematic designator R195)
R103 "1k" SMD0805RES 37.185,215.398 r90 top locked (schematic designator R194)
R104 "680k" SMD0805RES 14.248,174.852 r270 top locked (schematic designator R432)
R105 "CAY16-1002F4LF" CAY16-J4 203.055,308 r90 bottom locked value=10k? (schematic designator R107)
R106 "15k" SMD0805RES 9.348,159.248 r0 top locked (schematic designator R431)
R107 "56k" SMD0805RES 22.502,185.848 r90 top locked (schematic designator R444)
R108 "100Ω" RESC1608N 198.45,250.1 r0 bottom locked value=100? (schematic designator R149)
R109 "CAY16-1002F4LF" CAY16-J4 199.305,308 r90 bottom locked value=10k? (schematic designator R108)
R110 "1k" SMD0805RES 29.635,215.398 r90 top locked (schematic designator R197)
R111 "56k" SMD0805RES 19.402,183.252 r180 top locked (schematic designator R436)
R112 "100Ω" RESC1608N 196.1,249.3 r90 bottom locked value=100? (schematic designator R150)
R113 "1k" SMD0805RES 32.152,215.398 r90 top locked (schematic designator R196)
R114 "10k" SMD0805RES 26.952,171.002 r180 top locked (schematic designator R430)
R115 "100Ω" RESC1608N 194.7,249.3 r90 bottom locked value=100? (schematic designator R141)
R116 "100Ω" RESC1608N 192.325,250.1 r180 bottom locked value=100? (schematic designator R148)
R117 "1k" SMD0805RES 14.535,215.398 r90 top locked (schematic designator R221)
R118 "DNP" RESC1608N 189.825,273.125 r270 bottom locked (schematic designator R155)
R119 "5.1kΩ" RESC2012N 188.675,260.675 r0 bottom locked value=5.1k? (schematic designator R127)
R120 "5.1kΩ" RESC2012N 189.425,266.025 r90 bottom locked value=5.1k? (schematic designator R128)
R121 "10k" SMD0805RES 38.698,206.852 r270 top locked (schematic designator R209)
R122 "DNP" RESC1608N 188.45,273.125 r90 bottom locked (schematic designator R156)
R123 "10k" SMD0805RES 38.702,201.098 r90 top locked (schematic designator R204)
R124 "DNP" RESC1608N 187.075,273.125 r90 bottom locked (schematic designator R154)
R125 "1k" SMD0805RES 17.052,215.398 r90 top locked (schematic designator R218)
R126 "CAY16-1002F4LF" CAY16-J4 186.18,308 r90 bottom locked value=10k? (schematic designator R107)
R127 "DNP" RESC1608N 185.7,273.1 r270 bottom locked (schematic designator R153)
R128 "CAY16-1002F4LF" CAY16-J4 182.43,308 r90 bottom locked value=10k? (schematic designator R108)
R129 "DNP" SMD0805RES 38.702,194.598 r90 top locked (schematic designator R227)
R130 "100Ω" RESC1608N 178.025,263.175 r270 bottom locked value=100? (schematic designator R131)
R131 "100k" SMD0805RES 18.652,153.752 r180 top locked (schematic designator R439)
R132 "22Ω" RESC1608N 170.95,254.1 r180 bottom locked value=22? (schematic designator R175)
R133 "CAY16-1002F4LF" CAY16-J4 169.305,308 r90 bottom locked value=10k? (schematic designator R107)
R134 "CAY16-1002F4LF" CAY16-J4 165.555,308 r90 bottom locked value=10k? (schematic designator R108)
R135 "1k" SMD0805RES 9.502,215.398 r90 top locked (schematic designator R228)
R136 "CAY16-1002F4LF" CAY16-J4 152.43,308 r90 bottom locked value=10k? (schematic designator R107)
R137 "DNP" SMD0805RES 41.552,194.598 r90 top locked (schematic designator R202)
R138 "CAY16-1002F4LF" CAY16-J4 148.68,308 r90 bottom locked value=10k? (schematic designator R108)
R139 "5.1kΩ" RESC2012N 139.15,324.7 r90 bottom locked value=5.1k? (schematic designator R113)
R140 "5.1kΩ" RESC2012N 139.1,317.925 r90 bottom locked value=5.1k? (schematic designator R114)
R141 "1kΩ" RESC2012N 138.5,328.5 r90 bottom locked value=1k? (schematic designator R35)
R142 "5.1kΩ" RESC2012N 136.6,308.375 r180 bottom locked value=5.1k? (schematic designator R109)
R143 "1kΩ" RESC2012N 136.25,328.5 r90 bottom locked value=1k? (schematic designator R34)
R144 "5.1kΩ" RESC2012N 133.95,311.125 r0 bottom locked value=5.1k? (schematic designator R176)
R145 "1kΩ" RESC2012N 134,328.5 r90 bottom locked value=1k? (schematic designator R36)
R146 "1kΩ" RESC2012N 131.75,328.5 r90 bottom locked value=1k? (schematic designator R96)
R147 "62Ω" RESC2012N 127.225,324.85 r90 bottom locked value=62? (schematic designator R32)
R148 "22Ω" RESC1608N 125.775,308.4 r270 bottom locked value=22? (schematic designator R33)
R149 "100Ω" RESC1608N 123.525,277.65 r180 bottom locked value=100? (schematic designator R142)
R150 "100Ω" RESC1608N 123.525,279 r180 bottom locked value=100? (schematic designator R144)
R151 "100Ω" RESC1608N 123.525,280.375 r180 bottom locked value=100?
R152 "100Ω" RESC1608N 123.525,281.75 r180 bottom locked value=100?
R153 "22Ω" RESC1608N 123.175,308.35 r270 bottom locked value=22? (schematic designator R29)
R154 "62Ω" RESC2012N 119.725,321.075 r90 bottom locked value=62? (schematic designator R26)
R155 "62Ω" RESC2012N 106.75,324.85 r90 bottom locked value=62? (schematic designator R32)
R156 "22Ω" RESC1608N 105.3,308.4 r270 bottom locked value=22? (schematic designator R33)
R157 "22Ω" RESC1608N 102.7,308.35 r270 bottom locked value=22? (schematic designator R29)
R158 "62Ω" RESC2012N 99.25,321.075 r90 bottom locked value=62? (schematic designator R26)
R159 "100Ω" RESC1608N 83.25,225.65 r180 bottom locked value=100? (schematic designator R139)
R160 "100Ω" RESC1608N 81.1,224.9 r270 bottom locked value=100? (schematic designator R140)
R161 "100Ω" RESC1608N 79.75,224.9 r270 bottom locked value=100? (schematic designator R136)
R162 "100Ω" RESC1608N 77.625,225.65 r0 bottom locked value=100? (schematic designator R135)
R163 "10kΩ" RESC2012N 86.125,272.675 r90 bottom locked value=10k? (schematic designator R85)
R164 "10kΩ" RESC2012N 85.05,286.775 r270 bottom locked value=10k? (schematic designator R161)
R165 "10kΩ" RESC2012N 84.325,272.675 r90 bottom locked value=10k? (schematic designator R88)
R166 "10kΩ" RESC2012N 83,286.775 r270 bottom locked value=10k? (schematic designator R163)
R167 "10kΩ" RESC2012N 79.75,286.775 r270 bottom locked value=10k? (schematic designator R162)
R168 "1k" SMD0805RES 12.018,215.398 r90 top locked (schematic designator R226)
R169 "10kΩ" RESC2012N 77.6,275.925 r0 bottom locked value=10k? (schematic designator R87)
R170 "10kΩ" RESC2012N 77.6,277.925 r0 bottom locked value=10k? (schematic designator R86)
R171 "10kΩ" RESC2012N 77.6,279.925 r0 bottom locked value=10k? (schematic designator R160)
R172 "10kΩ" RESC2012N 77.6,281.925 r0 bottom locked value=10k? (schematic designator R164)
R173 "1k" SMD0805RES 44.735,215.398 r90 top locked (schematic designator R211)
R174 "51kΩ" RESC2012N 76.26,326.935 r90 bottom locked value=51k? (schematic designator R62)
R175 "10kΩ" RESC2012N 74.75,276.875 r90 bottom locked value=10k? (schematic designator R165)
R176 "22Ω" RESC1608N 71.3,291.8 r0 bottom locked value=22? (schematic designator R3)
R177 "100Ω" RESC1608N 65.875,295.275 r180 bottom locked value=100? (schematic designator R76)
R178 "75Ω" RESC2012N 65.41,334.535 r270 bottom locked value=75? (schematic designator R95)
R179 "75Ω" RESC2012N 62.335,334.535 r270 bottom locked value=75? (schematic designator R93)
R180 "150Ω" RESC2012N 55.175,334.475 r0 bottom locked value=150? (schematic designator R94)
R181 "DNP" SMD0805RES 44.402,194.598 r90 top locked (schematic designator R200)
R182 "DNP" SMD0805RES 33.498,145.702 r270 top locked (schematic designator R210)
R183 "75Ω" RESC2012N 49.96,334.535 r270 bottom locked value=75? (schematic designator R84)
R184 "75Ω" RESC2012N 46.76,334.56 r270 bottom locked value=75? (schematic designator R81)
R185 "150Ω" RESC2012N 39.385,334.485 r0 bottom locked value=150? (schematic designator R82)
R186 "150Ω" RESC2012N 33.375,329.45 r90 bottom locked value=150? (schematic designator R77)
R187 "1k" SMD0805RES 47.252,215.398 r90 top locked (schematic designator R208)
R188 "DNP" SMD0805RES 47.252,194.598 r90 top locked (schematic designator R198)
R189 "DNP" RESC2012N 26.025,233.075 r90 bottom locked (schematic designator R22)
R190 "DNP" RESC1608N 23.16,292.785 r180 bottom locked (schematic designator R71)
R191 "DNP" RESC2012N 22.375,290.125 r270 bottom locked (schematic designator R172)
R192 "1kΩ" RESC2012N 19.6,243.125 r0 bottom locked value=1k? (schematic designator R20)
R193 "150Ω" RESC2012N 19.275,329.4 r90 bottom locked value=150? (schematic designator R46)
R194 "24kΩ" RESC2012N 17.785,232.76 r270 bottom locked value=24k? (schematic designator R24)
R195 "10k" SMD0805RES 47.252,201.098 r90 top locked (schematic designator R219)
R196 "10k" SMD0805RES 47.248,206.852 r270 top locked (schematic designator R214)
R197 "1k" SMD0805RES 39.702,215.398 r90 top locked (schematic designator R216)
R198 "1k" SMD0805RES 42.218,215.398 r90 top locked (schematic designator R213)
R201 "DNP" SMD0805RES 38.332,145.702 r270 top locked (schematic designator R220)
R202 "10k" SMD0805RES 9.498,207.052 r270 top locked (schematic designator R232)
R203 "10k" SMD0805RES 9.502,201.098 r90 top locked (schematic designator R231)
R204 "DNP" SMD0805RES 26.168,143.698 r90 top locked (schematic designator R205)
R205 "100k" SMD0805RES 9.152,151.252 r180 top locked (schematic designator R447)
R206 "DNP" SMD0805RES 35.918,143.698 r90 top locked (schematic designator R217)
R207 "DNP" SMD0805RES 15.002,194.598 r90 top locked
R208 "DNP" SMD0805RES 28.665,145.702 r270 top locked (schematic designator R215)
R209 "DNP" SMD0805RES 9.502,194.598 r90 top locked (schematic designator R230)
R210 "DNP" SMD0805RES 31.085,143.698 r90 top locked (schematic designator R212)
R212 "DNP" SMD0805RES 12.252,194.598 r90 top locked (schematic designator R229)
R213 "10k" SMD0805RES 17.75,206.95 r270 top locked (schematic designator R233)
R214 "10k" SMD0805RES 17.752,201.098 r90 top locked (schematic designator R234)
R215 "10k" SMD0805RES 82.898,177.798 r0 top locked (schematic designator R4)
R216 "10k" SMD0805RES 91.702,165.002 r180 top locked (schematic designator R17)
R217 "100k" SMD0805RES 78.002,180.098 r90 top locked (schematic designator R5)
R218 "120" SMD0805RES 81.695,215.398 r90 top locked (schematic designator R44)
R219 "10k" SMD0805RES 91.702,162.102 r180 top locked (schematic designator R1)
R220 "120" SMD0805RES 100.877,215.398 r90 top locked (schematic designator R41)
R221 "680k" SMD0805RES 92.802,190.002 r180 top locked (schematic designator R6)
R222 "3k" SMD0805RES 91.702,159.102 r180 top locked (schematic designator R8)
R223 "120" SMD0805RES 88.888,215.398 r90 top locked (schematic designator R45)
R224 "120" SMD0805RES 122.456,215.398 r90 top locked (schematic designator R48)
R225 "1k" SMD0805RES 91.702,153.102 r180 top locked (schematic designator R12)
R226 "120" SMD0805RES 84.093,215.398 r90 top locked (schematic designator R47)
R227 "430" SMD0805RES 86.498,194.602 r270 top locked (schematic designator R15)
R228 "120" SMD0805RES 112.865,215.398 r90 top locked (schematic designator R37)
R229 "100k" SMD0805RES 78.256,189.098 r90 top locked (schematic designator R11)
R230 "120" SMD0805RES 103.275,215.398 r90 top locked (schematic designator R31)
R231 "5k6" SMD0805RES 88.402,190.002 r180 top locked (schematic designator R14)
R232 "56k" SMD0805RES 87.702,179.998 r90 top locked (schematic designator R10)
R233 "120" SMD0805RES 98.479,215.398 r90 top locked (schematic designator R38)
R234 "120" SMD0805RES 91.286,215.398 r90 top locked (schematic designator R40)
R235 "120" SMD0805RES 105.672,215.398 r90 top locked (schematic designator R30)
R237 "120" SMD0805RES 117.661,215.398 r90 top locked (schematic designator R50)
R239 "1k" SMD0805RES 93.684,215.398 r90 top locked (schematic designator R58)
R240 "100k" SMD0805RES 82.302,154.602 r180 top locked (schematic designator R18)
R241 "1k" SMD0805RES 108.066,217.402 r270 top locked (schematic designator R57)
R242 "1k" SMD0805RES 96.081,215.398 r90 top locked (schematic designator R59)
R244 "1k" SMD0805RES 130.002,215.398 r90 top locked (schematic designator R99)
R245 "1k" SMD0805RES 127.252,215.398 r90 top locked (schematic designator R60)
R247 "1k" SMD0805RES 76.9,215.398 r90 top locked (schematic designator R56)
R248 "1k" SMD0805RES 124.854,215.398 r90 top locked (schematic designator R52)
R249 "120" SMD0805RES 115.263,215.398 r90 top locked (schematic designator R51)
R250 "10k" SMD0805RES 101.502,143.598 r90 top locked (schematic designator R191)
R251 "100k" SMD0805RES 80.802,173.802 r180 top locked (schematic designator R2)
R252 "1k" SMD0805RES 79.297,215.398 r90 top locked (schematic designator R54)
R253 "1k" SMD0805RES 74.502,215.398 r90 top locked (schematic designator R53)
R254 "120" SMD0805RES 110.468,215.398 r90 top locked (schematic designator R28)
R255 "10k" SMD0805RES 82.102,196.498 r90 top locked (schematic designator R190)
R256 "120" SMD0805RES 120.059,215.398 r90 top locked (schematic designator R49)
R257 "100k" SMD0805RES 80.398,162.598 r0 top locked (schematic designator R13)
R258 "110" RESC1608X64N 106.825,158.879 r180 top locked (schematic designator R100)
R259 "120" SMD0805RES 86.49,215.398 r90 top locked (schematic designator R39)
R260 "10k" SMD0805RES 146.848,124.102 r270 top locked (schematic designator R464)
R261 "DNP" SMD0805RES 136.002,128.848 r90 top locked (schematic designator R239)
R262 "10k" RESC1608X64N 114.6,164.9 r180 top locked (schematic designator R184)
R263 "1k" SMD0805RES 141.498,96.198 r0 top locked (schematic designator R473)
R264 "49.9" SMD0805RES 109.077,168.402 r180 top locked (schematic designator R183)
R265 "10k" SMD0805RES 134.998,143.602 r270 top (schematic designator R465)
R266 "10k" RESC1608X64N 111.45,172.65 r180 top locked (schematic designator R186)
R267 "3k" SMD0805RES 137.502,141.598 r90 top (schematic designator R469)
R268 "430" SMD0805RES 149.102,87.798 r90 top locked (schematic designator R475)
R269 "49.9" RESC1608X64N 111.45,174.2 r180 top locked (schematic designator R185)
R270 "0" RESC1608X64N 111.45,175.75 r180 top locked (schematic designator R188)
R271 "680k" SMD0805RES 140.002,141.598 r90 top (schematic designator R453)
R272 "680k" SMD0805RES 151.998,107.198 r0 top locked (schematic designator R471)
R273 "0" RESC1608X64N 111.45,177.3 r180 top locked (schematic designator R187)
R274 "5k1" SMD0805RES 153.498,88.198 r0 top locked (schematic designator R474)
R275 "49.9" RESC1608X64N 111.45,178.85 r180 top locked (schematic designator R102)
R276 "10k" SMD0805RES 142.498,143.602 r270 top (schematic designator R460)
R277 "1k" SMD0805RES 146.002,212.194 r90 top (schematic designator R250)
R278 "1k" SMD0805RES 148.002,212.194 r90 top (schematic designator R249)
R279 "56k" SMD0805RES 163.002,101.202 r180 top locked (schematic designator R472)
R280 "DNP" SMD0805RES 150.002,212.194 r90 top (schematic designator R253)
R281 "DNP" SMD0805RES 152.002,212.194 r90 top (schematic designator R255)
R282 "DNP" SMD0805RES 154.002,212.194 r90 top (schematic designator R254)
R284 "DNP" SMD0805RES 159.302,141.798 r90 top (schematic designator R280)
R285 "120" SMD0805RES 156.002,212.194 r90 top (schematic designator R245)
R286 "120" SMD0805RES 158.002,212.194 r90 top (schematic designator R244)
R287 "DNP" SMD0805RES 161.502,141.798 r90 top (schematic designator R279)
R288 "120" SMD0805RES 160.002,212.194 r90 top (schematic designator R246)
R290 "DNP" SMD0805RES 163.902,141.798 r90 top (schematic designator R278)
R291 "1k" SMD0805RES 162.002,212.194 r90 top (schematic designator R248)
R293 "120" SMD0805RES 164.002,212.194 r90 top (schematic designator R247)
R294 "DNP" SMD0805RES 166.202,141.798 r90 top (schematic designator R275)
R295 "DNP" SMD0805RES 153.375,147.544 r90 top (schematic designator R265)
R296 "DNP" SMD0805RES 166.002,212.194 r90 top (schematic designator R264)
R297 "DNP" SMD0805RES 155.375,147.544 r90 top (schematic designator R272)
R298 "DNP" SMD0805RES 168.002,212.194 r90 top (schematic designator R261)
R299 "DNP" SMD0805RES 168.402,141.798 r90 top (schematic designator R274)
R300 "DNP" SMD0805RES 170.002,212.194 r90 top (schematic designator R266)
R301 "DNP" SMD0805RES 172.002,212.194 r90 top (schematic designator R270)
R302 "100k" SMD0805RES 172.898,93.498 r0 top locked (schematic designator R467)
R303 "DNP" SMD0805RES 170.275,179.744 r90 top (schematic designator R267)
R304 "DNP" SMD0805RES 174.002,212.194 r90 top (schematic designator R268)
R305 "DNP" SMD0805RES 157.7,168.1 r270 top (schematic designator R282)
R306 "DNP" SMD0805RES 176.002,212.194 r90 top (schematic designator R257)
R307 "DNP" SMD0805RES 152.898,124.102 r270 top (schematic designator R283)
R308 "DNP" SMD0805RES 178.002,212.194 r90 top (schematic designator R256)
R309 "DNP" SMD0805RES 181.098,158.902 r270 top (schematic designator R273)
R310 "430" SMD0805RES 179.498,89.602 r270 top locked (schematic designator R470)
R311 "DNP" SMD0805RES 180.002,212.194 r90 top (schematic designator R258)
R312 "DNP" SMD0805RES 178.402,156.598 r90 top (schematic designator R269)
R313 "DNP" SMD0805RES 182.002,212.194 r90 top (schematic designator R260)
R314 "5k6" SMD0805RES 181.998,89.602 r270 top locked (schematic designator R468)
R315 "DNP" SMD0805RES 159.498,167.702 r270 top (schematic designator R271)
R316 "680k" SMD0805RES 183.598,97.998 r0 top locked (schematic designator R466)
R317 "DNP" SMD0805RES 184.002,212.194 r90 top (schematic designator R259)
R318 "430" SMD0805RES 184.998,171.102 r270 top (schematic designator R459)
R319 "DNP" SMD0805RES 155.502,165.798 r90 top (schematic designator R281)
R320 "15k" SMD0805RES 185.098,174.498 r0 top (schematic designator R458)
R321 "10k" SMD0805RES 187.498,136.402 r270 top locked (schematic designator R452)
R322 "10k" SMD0805RES 187.998,145.902 r270 top (schematic designator R449)
R323 "680k" SMD0805RES 190.102,158.002 r180 top (schematic designator R461)
R324 "680k" SMD0805RES 189.398,138.998 r0 top locked (schematic designator R455)
R326 "100k" SMD0805RES 193,163.5 r180 top (schematic designator R457)
R327 "100k" SMD0805RES 191.098,149.498 r0 top (schematic designator R450)
R328 "680k" SMD0805RES 194.402,158.002 r180 top (schematic designator R462)
R329 "5k1" SMD0805RES 196.402,151.502 r180 top (schematic designator R451)
R330 "430" SMD0805RES 194.998,145.902 r270 top (schematic designator R456)
R331 "1k" SMD0805RES 194.998,219.852 r270 top locked (schematic designator R287)
R334 "56k" SMD0805RES 198.002,159.598 r90 top (schematic designator R463)
R335 "1k" SMD0805RES 202.752,227.148 r90 top locked (schematic designator R290)
R336 "1k" SMD0805RES 203.098,231.248 r0 top locked (schematic designator R288)
R337 "10k" SMD0805RES 204.748,224.402 r270 top locked (schematic designator R284)
R338 "1k" SMD0805RES 207.252,231.098 r90 top locked (schematic designator R289)
R339 "100k" SMD0805RES 213.248,67.602 r270 top locked (schematic designator R494)
R340 "10k" SMD0805RES 216.502,222.348 r90 top locked (schematic designator R291)
R341 "DNP" SMD0805RES 217.098,187.498 r0 top (schematic designator R277)
R342 "1k" SMD0805RES 219.352,208.752 r180 top (schematic designator R276)
R343 "10k" SMD0805RES 219.002,222.348 r90 top locked (schematic designator R285)
R344 "100k" SMD0805RES 219.598,231.998 r0 top locked (schematic designator R286)
R345 "10k" SMD0805RES 221.998,224.402 r270 top locked (schematic designator R293)
R347 "0" SMD0805RES 236,185 r90 top locked (schematic designator R328)
R348 "120" SMD0805RES 236.002,203.098 r90 top locked (schematic designator R307)
R349 "0" SMD0805RES 236.002,192.898 r90 top locked (schematic designator R327)
R350 "10k" SMD0805RES 236.002,191.098 r90 top locked (schematic designator R314)
R351 "10k" SMD0805RES 236,189 r270 top locked (schematic designator R309)
R352 "120" SMD0805RES 238.527,203.098 r90 top locked (schematic designator R312)
R354 "120" SMD0805RES 241.053,203.098 r90 top locked (schematic designator R317)
R355 "120" SMD0805RES 243.578,203.098 r90 top locked (schematic designator R322)
R356 "0" SMD0805RES 245.002,192.898 r90 top locked (schematic designator R326)
R357 "10k" SMD0805RES 245.002,190.898 r90 top locked (schematic designator R319)
R358 "10k" SMD0805RES 244.998,189.102 r270 top locked (schematic designator R324)
R359 "0" SMD0805RES 244.998,187.102 r270 top locked (schematic designator R325)
R361 "120" SMD0805RES 246.103,203.098 r90 top locked (schematic designator R305)
R363 "120" SMD0805RES 248.629,203.098 r90 top locked (schematic designator R310)
R364 "120" SMD0805RES 251.154,203.098 r90 top locked (schematic designator R315)
R365 "1k" SMD0805RES 252.752,231.5 r90 top locked (schematic designator R295)
R366 "120" SMD0805RES 253.68,203.098 r90 top locked (schematic designator R320)
R367 "10k" SMD0805RES 254.002,186.898 r90 top locked (schematic designator R308)
R368 "10k" SMD0805RES 253.998,193.902 r270 top locked (schematic designator R313)
R369 "120" SMD0805RES 256.205,203.098 r90 top locked (schematic designator R306)
R370 "1k" SMD0805RES 256.939,231.5 r90 top locked (schematic designator R294)
R371 "120" SMD0805RES 258.731,203.098 r90 top locked (schematic designator R311)
R372 "1k" SMD0805RES 261.127,231.5 r90 top locked (schematic designator R297)
R373 "120" SMD0805RES 261.256,203.098 r90 top locked (schematic designator R316)
R374 "10k" SMD0805RES 263.002,191.898 r90 top locked (schematic designator R318)
R375 "10k" SMD0805RES 262.998,188.902 r270 top locked (schematic designator R323)
R376 "120" SMD0805RES 263.781,203.098 r90 top locked (schematic designator R321)
R377 "1k" SMD0805RES 265.314,231.5 r90 top locked (schematic designator R296)
R378 "10k" SMD0805RES 266,191 r90 top locked (schematic designator R338)